# Altium PCB PiTopAIO.PcbDoc (continued)
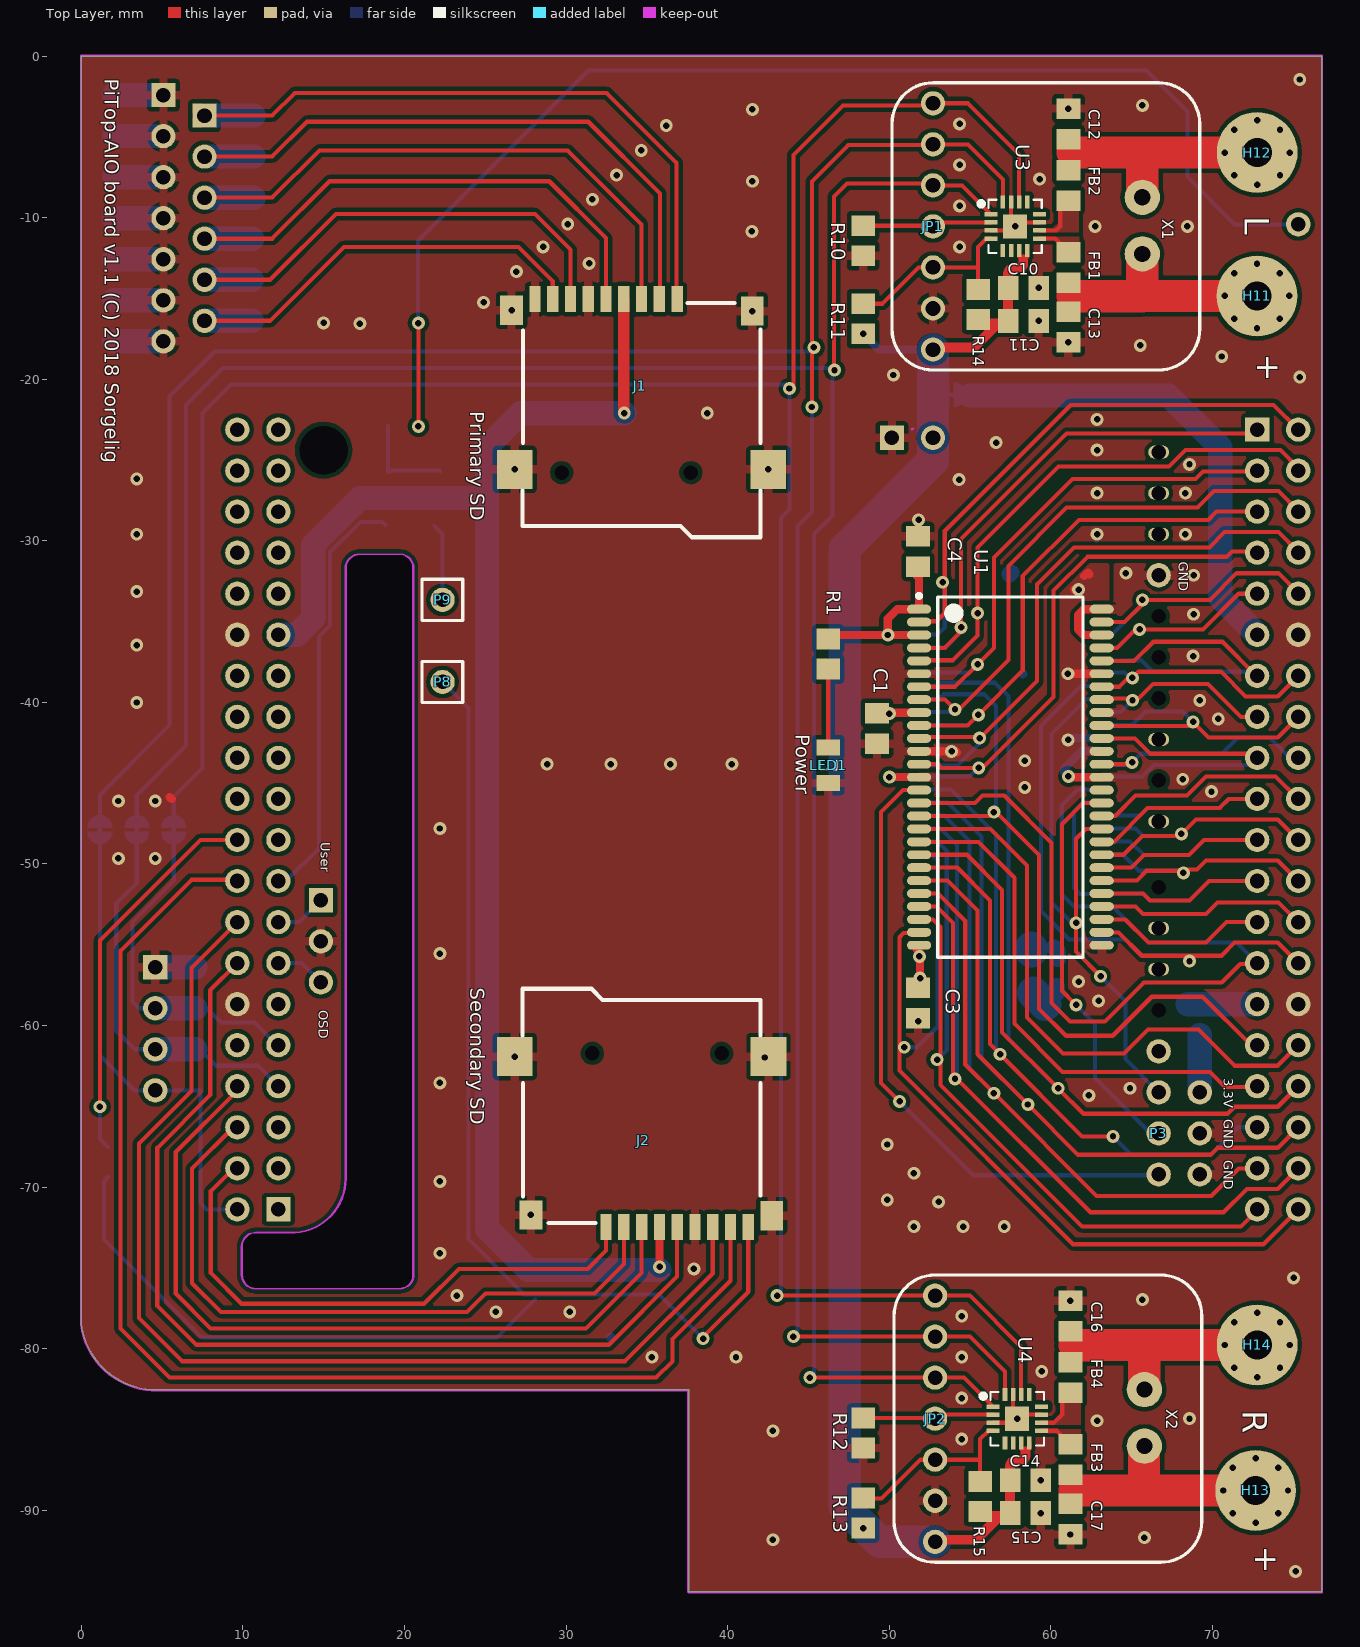
[diagram p0: Top Layer view]
## Free pads (board coordinates)
  round 0 hole 3 unplated: ""(14.986,-24.384)
  round 1.5 hole 0.9: ""(66.675,-61.595) ""(66.675,-32.131) ""(69.215,-69.215) ""(69.215,-66.675) ""(69.215,-64.135)
  round 0 hole 0.9 unplated mask-0.9: ""(66.675,-59.055) ""(66.675,-51.435) ""(66.675,-44.831) ""(66.675,-39.751) ""(66.675,-37.211) ""(66.675,-34.671)
  oval 1.3x0.8 hole 0.9 mask+0.05: ""(66.675,-56.515) ""(66.675,-53.975) ""(66.675,-47.371) ""(66.675,-42.291) ""(66.675,-29.591) ""(66.675,-27.051) ""(66.675,-24.511)

## Via types
v1: diameter 0.8, hole 0.4, Top Layer to Bottom Layer, tented both sides, 169 vias

## Nets (pads, with @x,y where several pads share a name; then routed paths per layer and width w, separated by ;. In a path a pad name is that pad's centre, name@x,y a point inside that pad or via, vN(x,y) a via of type N, cw(c..) or ccw(c..) an arc to the next point about the centre after c; other vN are vias at no path point)
A0: P2.37 U1.23 U2.28 | length 54.7
  Top Layer w0.254: U1.23 53.012,-51.829 54.702,-53.519 54.702,-62.409 v1(56.48,-64.187) 62.83,-70.537 69.925,-70.537 71.628,-68.834 P2.37
  Bottom Layer w0.254: U2.28 53.387,-46.997 54.956,-48.566 54.956,-62.663 v1(56.48,-64.187)
A1: P2.38 U1.24 U2.27 | length 55
  Top Layer w0.254: U1.24 52.923,-52.629 53.94,-53.646 v1@53.94,-63.044 ; v1@54.13,-63.234 62.449,-71.553 70.687,-71.553 72.136,-70.104 74.041,-70.104 P2.38
  Bottom Layer w0.254: U2.27 53.171,-47.797 54.194,-48.82 54.194,-63.171 v1(54.067,-63.298)
A2: P2.39 U1.25 U2.26 | length 50.3
  Top Layer w0.254: U1.25 52.707,-53.429 53.178,-53.9 53.178,-63.679 61.941,-72.442 71.755,-72.442 P2.39@72.771,-71.426
  Bottom Layer w0.254: U2.26 52.955,-48.597 53.559,-49.201 53.559,-61.503 v1(52.959,-62.103) v1@52.801,-62.261
A3: P2.40 U1.26 U2.25 | length 53.7
  Top Layer w0.254: U1.26@51.527,-54.281 50.892,-54.281 50.638,-54.535 50.638,-62.79 61.381,-73.533 73.152,-73.533 P2.40
  Bottom Layer w0.254: v1(50.927,-61.341) 51.705,-61.341 53,-60.047 53,-49.785 52.612,-49.397 U2.25 ; U2.25@51.921,-49.397 U2.25@52.065,-49.541
A4: P2.28 U1.29 U2.7 | length 40.5
  Top Layer w0.254: U1.29 64.175,-54.229 65.624,-55.678 v1@68.545,-55.678 ; v1(68.58,-56.007) 68.58,-55.713 v1@68.545,-55.678 ; P2.28 74.041,-54.864 71.374,-54.864 70.56,-55.678 v1@68.545,-55.678
  Bottom Layer w0.254: U2.7 61.858,-38.997 59.401,-41.454 59.401,-52.924 61.139,-54.662 64.608,-54.662 65.624,-55.678 68.251,-55.678 v1(68.58,-56.007)
A5: P2.25 U1.30 | length 10.7
  Top Layer w0.254: U1.30 64.605,-53.429 66.04,-54.864 69.596,-54.864 70.866,-53.594 P2.25
A6: P2.26 U1.31 | length 13.2
  Top Layer w0.254: U1.31 65.242,-52.629 65.699,-53.086 69.596,-53.086 70.306,-52.376 74.093,-52.376 P2.26
A7: P2.23 U1.32 U2.16 | length 28.9
  Top Layer w0.254: U1.32 65.712,-51.829 66.132,-52.249 68.586,-52.249 69.78,-51.054 P2.23
  Bottom Layer w0.254: U2.16 62.004,-46.197 61.433,-46.768 61.433,-51.487 61.814,-51.868 65.751,-51.868 66.132,-52.249 68.586,-52.249 69.78,-51.054 P2.23
A8: P2.24 U1.33 U2.20 | length 19
  Top Layer w0.254: U1.33 65.32,-51.029 65.929,-50.419 67.997,-50.419 v1@68.072,-50.344 ; v1(68.199,-50.546) 68.199,-50.419 68.274,-50.344 69.053,-50.344 69.612,-49.784 74.041,-49.784 P2.24
  Bottom Layer w0.254: U2.20 64.423,-49.397 65.445,-50.419 68.072,-50.419 v1(68.199,-50.546)
A9: P2.21 U1.34 U2.19 | length 20.7
  Top Layer w0.254: U1.34 64.977,-50.229 65.751,-49.455 68.545,-49.455 69.485,-48.514 P2.21@72.736,-48.514
  Bottom Layer w0.254: U2.19@63.071,-48.597 64.893,-48.597 65.751,-49.455 68.545,-49.455 69.485,-48.514 P2.21
A10: P2.36 U1.22 U2.29 | length 59
  Top Layer w0.254: U1.22 53.609,-51.029 55.464,-52.884 55.464,-61.774 v1(58.575,-64.885) 61.687,-67.997 69.884,-67.997 70.317,-67.564 74.041,-67.564 P2.36
  Bottom Layer w0.254: U2.29 53.603,-46.197 55.718,-48.312 55.718,-62.028 v1(58.575,-64.885)
A11: P2.22 U1.35 U2.18 | length 18.9
  Top Layer w0.254: U1.35 64.507,-49.429 65.675,-48.26 68.072,-48.26 v1(68.072,-48.133) 68.088,-48.133 68.977,-47.244 74.041,-47.244 P2.22
  Bottom Layer w0.254: U2.18@63.071,-47.797 65.236,-47.797 65.699,-48.26 67.961,-48.26 68.072,-48.149 v1(68.072,-48.133)
A12: P2.19 U1.36 U2.17 | length 21
  Top Layer w0.254: U1.36 63.893,-48.629 65.988,-46.534 70.45,-46.534 71.009,-45.974 P2.19
  Bottom Layer w0.254: U2.17 65.525,-46.997 65.988,-46.534 70.45,-46.534 71.009,-45.974 P2.19
BA0: P2.34 U1.20 U2.38 | length 67.6
  Top Layer w0.254: U1.20 54.803,-49.429 56.988,-51.614 56.988,-60.417 60.285,-63.714 60.452,-63.714 v1(60.452,-63.881) 62.028,-65.457 70.941,-65.457 71.374,-65.024 74.041,-65.024 P2.34
  Bottom Layer w0.254: U2.38 52.841,-38.997 53.051,-38.787 56.55,-38.787 57.369,-39.605 57.369,-60.798 v1(60.452,-63.881)
BA1: P2.35 U1.21 U2.30 | length 53.9
  Top Layer w0.254: U1.21 54.206,-50.229 56.226,-52.249 56.226,-61.139 56.734,-61.647 v1@56.988,-61.647 ; v1(56.861,-61.774) 61.941,-66.854 v1(63.846,-66.854)
  Bottom Layer w0.254: U2.30 53.819,-45.397 56.607,-48.185 56.607,-61.52 v1(56.861,-61.774) ; v1(63.846,-66.854) 64.989,-67.997 69.884,-67.997 71.587,-66.294 P2.35
BtnOSD: P1.13 P10.3 | length 3.3
  Top Layer w0.254: P10.3@14.697,-57.456 P10.3
  Bottom Layer w0.254: P1.13 13.629,-56.134 P10.3
BtnUser: P1.15 P10.1 | length 3.9
  Top Layer w0.254: P1.15 P1.15@12.716,-53.594
  Bottom Layer w0.254: P1.15@12.192,-53.737 P1.15 13.478,-53.594 P10.1
CAS: P2.31 U1.17 U2.37 | length 46.4
  Top Layer w0.254: U1.17 56.239,-47.029 v1(56.48,-46.788) 56.607,-46.788 59.274,-49.455 59.274,-58.98 60.925,-60.631 63.829,-60.631 66.242,-58.218 69.394,-58.218 72.39,-61.214 P2.31
  Bottom Layer w0.254: U2.37 53.057,-39.797 53.356,-39.497 55.88,-39.497 56.607,-40.224 56.607,-46.661 v1(56.48,-46.788)
CKE: P3.1 U1.37 U2.8 | length 35.9
  Top Layer w0.254: v1(63.084,-56.948) 61.56,-55.424 v1(61.56,-53.646) 61.56,-48.439 62.17,-47.829 U1.37
  Bottom Layer w0.254: v1(61.56,-53.646) 61.306,-53.646 60.036,-52.376 60.036,-41.962 62.201,-39.797 U2.8 ; v1(63.084,-56.948) 64.608,-58.472 64.608,-62.068 P3.1
CLK: P2.20 U1.38 | length 13.8
  Top Layer w0.254: U1.38 63.986,-47.029 65.243,-45.772 68.418,-45.772 69.612,-44.577 73.914,-44.577 P2.20
CS: P2.33 U1.19 | length 32.5
  Top Layer w0.254: U1.19 55.527,-48.629 57.75,-50.852 57.75,-59.884 60.73,-62.865 69.845,-62.865 70.786,-63.806 72.719,-63.806 P2.33
DH: P3.2 U1.39 | length 25.5
  Top Layer w0.254: v1@61.433,-58.599 60.679,-57.845 60.679,-47.542 61.992,-46.229 U1.39 ; P3.2@66.64,-66.727 P3.2@67.021,-66.346
  Bottom Layer w0.254: v1@61.595,-58.507 61.595,-58.772 62.738,-59.915 62.738,-63.246 66.219,-66.727 P3.2@66.675,-66.727
  other v1: 61.56,-58.726
DL: P3.3 U1.15 | length 39.3
  Top Layer w0.254: v1(50.638,-64.695) 49.495,-63.552 49.495,-46.788 50.854,-45.429 U1.15
  Bottom Layer w0.254: v1(50.638,-64.695) 55.21,-69.267 P3.3@66.623,-69.267 ; P3.3 P3.3@66.623,-69.267 ; P3.3@66.683,-69.267 P3.3@66.623,-69.267
DQ0: P2.2 U1.2 U2.42 | length 36.7
  Top Layer w0.254: U1.2 U1.2@51.99,-34.885 ; U1.2@52.543,-34.977 52.924,-34.977 53.432,-34.469 53.432,-29.389 61.23,-21.59 73.787,-21.59 P2.2
  Bottom Layer w0.254: U2.42@51.921,-35.797 52.993,-35.797 53.432,-35.358 53.432,-32.691 v1(53.305,-32.564)
DQ1: P2.1 U1.4 U2.41 | length 33.1
  Top Layer w0.254: U1.4 53.431,-36.629 54.448,-35.612 v1(54.448,-35.358) 54.448,-29.897 60.976,-23.368 72.517,-23.368 P2.1
  Bottom Layer w0.254: U2.41@51.921,-36.597 53.501,-36.597 54.448,-35.65 v1(54.448,-35.358)
DQ2: P2.4 U1.5 U2.40 | length 38.2
  Top Layer w0.254: U1.5@51.846,-37.39 53.94,-37.39 55.464,-35.866 v1(55.464,-34.469) 55.464,-30.405 60.468,-25.4 67.31,-25.4 68.326,-24.384 74.208,-24.384 75.311,-25.487 P2.4
  Bottom Layer w0.254: U2.40@51.921,-37.397 51.928,-37.39 53.94,-37.39 55.464,-35.866 v1(55.464,-34.469)
DQ3: P2.3 U1.7 U2.39 | length 33.6
  Top Layer w0.254: U1.7 54.079,-39.029 v1(55.464,-37.644) 56.48,-36.628 56.48,-31.04 61.341,-26.179 68.944,-26.179 69.417,-25.706 72.719,-25.706 P2.3
  Bottom Layer w0.254: U2.39 52.541,-38.197 52.586,-38.152 54.956,-38.152 v1(55.464,-37.644)
DQ4: P2.6 U1.8 U2.36 | length 35.7
  Top Layer w0.254: U1.8 53.458,-39.829 v1(54.067,-40.438) 54.304,-40.438 57.369,-37.373 57.369,-31.548 60.976,-27.94 69.088,-27.94 70.104,-26.924 74.081,-26.924 75.311,-28.154 P2.6
  Bottom Layer w0.254: U2.36@51.921,-40.597 53.908,-40.597 53.94,-40.565 v1@53.94,-40.184
DQ5: P2.5 U1.10 U2.35 | length 33.7
  Top Layer w0.254: U1.10 54.854,-41.429 v1(55.515,-40.767) 58.258,-38.025 58.258,-32.183 61.738,-28.702 69.739,-28.702 70.247,-28.194 P2.5
  Bottom Layer w0.254: U2.35@51.921,-41.397 54.886,-41.397 v1(55.515,-40.767)
DQ6: P2.8 U1.11 U2.32 | length 37.4
  Top Layer w0.254: U1.11 51.927,-42.148 v1@55.786,-42.148 ; v1@55.845,-42.089 55.845,-41.986 59.147,-38.684 59.147,-32.691 61.433,-30.405 69.815,-30.405 70.755,-29.464 74.081,-29.464 75.311,-30.694 P2.8
  Bottom Layer w0.254: U2.32@51.921,-43.797 52.034,-43.91 54.228,-43.91 55.591,-42.548 v1(55.591,-42.216)
DQ7: P2.7 U1.13 U2.31 | length 34.4
  Top Layer w0.254: U1.13 53.013,-43.829 53.233,-44.049 v1(55.535,-44.049) 55.773,-44.049 60.163,-39.659 60.163,-33.086 62.26,-30.988 70.882,-30.988 71.212,-30.659 72.696,-30.659 P2.7
  Bottom Layer w0.254: U2.31@51.921,-44.597 54.951,-44.597 55.245,-44.303 55.535,-44.303 v1(55.535,-44.049)
DQ8: P2.18 U1.42 U2.13 | length 15.7
  Top Layer w0.254: U1.42 64.773,-43.829 64.884,-43.717 v1(65.024,-43.717)
  Bottom Layer w0.254: U2.13 63.014,-43.867 64.875,-43.867 v1(65.024,-43.717) ; v1@64.932,-43.613 65.024,-43.705 v1(65.024,-43.717) ; P2.18 74.803,-43.434 73.533,-42.164 71.578,-42.164 70.562,-43.18 65.561,-43.18 v1(65.024,-43.717)
DQ9: P2.17 U1.44 U2.14 | length 20.5
  Top Layer w0.254: U1.44 65.216,-42.229 66.167,-43.18 72.049,-43.18 72.303,-43.434 P2.17
  Bottom Layer w0.254: U2.14 65.639,-44.597 66.369,-43.867 72.338,-43.867 P2.17 ; U2.14@63.071,-44.617 U2.14@63.071,-44.597
DQ10: P2.16 U1.45 U2.10 | length 19.6
  Top Layer w0.254: U1.45 63.171,-41.454 68.799,-41.454 v1(68.799,-41.2) ; v1@68.862,-41.263 69.763,-42.164 74.041,-42.164 P2.16
  Bottom Layer w0.254: U2.10@63.071,-41.397 65.029,-41.397 65.861,-40.565 68.164,-40.565 v1(68.799,-41.2)
DQ11: P2.15 U1.47 U2.9 | length 13.7
  Top Layer w0.254: U1.47@63.146,-39.815 U1.47 63.227,-39.748 65.116,-39.748 65.116,-39.803 v1@65.179,-39.739 ; v1@65.179,-39.993 v1@65.179,-39.739 ; P2.15 71.755,-40.894 69.723,-38.862 66.334,-38.862 65.457,-39.739 v1@65.179,-39.739
  Bottom Layer w0.254: U2.9@63.071,-40.597 64.322,-40.597 v1(65.052,-39.866) v1@65.179,-39.739
DQ12: P2.14 U1.48 U2.6 | length 15.1
  Top Layer w0.254: U1.48 64.239,-39.029 64.786,-38.481 v1(65.04,-38.481) 65.421,-38.1 70.526,-38.1 72.05,-39.624 74.041,-39.624 P2.14
  Bottom Layer w0.254: U2.6@63.592,-38.152 64.568,-38.152 64.77,-38.354 v1@64.913,-38.354
DQ13: P2.13 U1.50 U2.5 | length 21.3
  Top Layer w0.254: U1.50 65.156,-37.429 66.338,-36.247 70.612,-36.247 P2.13@72.771,-38.406
  Bottom Layer w0.254: U2.5@63.071,-37.397 64.728,-37.397 64.735,-37.39 65.584,-37.39 66.294,-38.1 72.771,-38.1 P2.13 P2.13@72.771,-38.406
DQ14: P2.9 U1.51 U2.4 | length 13.9
  Top Layer w0.254: U1.51 64.082,-36.629 65.226,-35.485 v1(65.497,-35.485) 69.417,-35.485 71.628,-33.274 P2.9
  Bottom Layer w0.254: U2.4@63.071,-36.597 64.114,-36.597 65.226,-35.485 v1(65.497,-35.485)
DQ15: P2.10 U1.53 U2.3 | length 17.5
  Top Layer w0.254: U1.53 64.556,-35.029 65.659,-33.925 v1(65.659,-33.655) ; v1@65.929,-33.655 69.85,-33.655 71.501,-32.004 74.081,-32.004 75.311,-33.234 P2.10
  Bottom Layer w0.254: U2.3@63.071,-35.797 63.788,-35.797 v1@65.86,-33.725
GND: C1.1 C2.1 C3.1 C4.1 C5.1 C10.1 C11.1 C12.1 C13.1 C14.1 C15.1 C16.1 C17.1 C20.1 C21.1 J1.6 J1.9 J1.10 J1.11 J1.12 J1.13 J2.6 J2.10 J2.11 J2.12 J2.13 JP1.2 JP2.2 LED1.2 P1.12 P1.30 P2.12 P2.30 P4G.1 P4G.2 P4G.3 P4G.4 P4G.5 P4G.6 P4G.7 P6.1 P7.1 P10.2 pad.@66.675,-32.131 pad.@69.215,-66.675 pad.@69.215,-69.215 R10.2 R12.2 U1.6 U1.12 U1.28 U1.41 U1.46 U1.52 U1.54 U2.12 U2.34 U3.3 U3.11 U3.15 U3.THERMAL U4.3 U4.11 U4.15 U4.THERMAL | length 48.7
  Top Layer w0.254: U3.3 U3.THERMAL@57.535,-10.791 ; U4.3 U4.THERMAL@57.662,-84.578 ; U3.THERMAL@57.535,-10.291 U3.15 ; U4.THERMAL@57.662,-84.078 U4.15 ; U3.THERMAL@58.035,-10.291 U3.11 ; U4.THERMAL@58.162,-84.078 U4.11
  Top Layer w0.508: 5.461,-45.847 5.588,-45.974 ; v1(26.821,-25.581) J1.11@26.664,-25.581 ; U1.12 v1(53.864,-43.029) 54.118,-43.029 v1@54.194,-43.105 ; v1(61.087,-44.577) 61.139,-44.629 U1.41 ; U1.52@63.163,-35.846 U1.52 62.031,-35.829 61.687,-35.485 61.687,-34.596 62.054,-34.229 U1.54 U1.54@63.578,-34.229 ; J1.11@26.664,-25.581 26.567,-25.484 26.47,-25.581 J1.11@26.664,-25.581
  Bottom Layer w0.508: 32.766,-79.375 32.766,-79.248 ; v1@53.94,-42.851 v1@54.118,-43.029 ; v1@60.833,-44.323 60.833,-44.069 61.905,-42.997 U2.12 ; v1@60.96,-44.283 61.087,-44.41 v1(61.087,-44.577) ; v1@62.23,-64.198 62.23,-64.262 v1@62.357,-64.389 ; v1@62.738,-29.337 62.83,-29.429 v1@62.83,-29.841 ; v1@62.865,-27.178 v1(62.865,-27.051) ; v1(62.865,-22.479) v1@62.865,-22.352 ; v1@68.326,-25.273 v1@68.453,-25.4 ; v1@68.926,-37.136 v1@68.926,-37.009 ; v1(69.942,-45.518) v1@70.069,-45.391
  Bottom Layer w1: 59.647,-58.712 60.187,-58.171 60.365,-57.993 C2.1@60.365,-57.567
  Bottom Layer w1.5: 2.032,-17.653 P4G.7 ; 2.032,-15.113 P4G.6 ; 2.032,-12.573 P4G.5 ; 2.032,-10.033 P4G.4 ; 2.032,-7.493 P4G.3 ; 2.032,-4.953 P4G.2 ; 2.032,-2.413 P4G.1 ; P7.1 7.056,-56.388
  Bottom Layer w2: 58.908,-57.973 59.647,-58.712
  other v1: 75.149,-93.778 42.799,-91.821 65.786,-91.694 61.214,-91.496 59.365,-90.17 59.365,-88.138 54.483,-85.598 42.799,-85.09 62.865,-84.455 57.912,-84.328 68.58,-84.328 54.483,-83.058 59.436,-81.407 35.306,-80.518 40.513,-80.518 54.483,-80.518 54.483,-77.978 25.654,-77.724 30.226,-77.724 61.214,-77.033 65.659,-76.962 23.241,-76.708 75.022,-75.617 37.902,-75.057 22.19,-74.093 51.527,-72.442 54.575,-72.442 57.115,-72.442 27.824,-71.722 53.051,-70.918 49.876,-70.791 22.19,-69.648 51.527,-69.14 49.876,-67.362 62.357,-64.325 64.897,-63.881 22.19,-63.552 42.291,-61.976 26.824,-61.922 51.781,-59.742 62.957,-58.472 61.722,-57.277 22.19,-55.551 2.286,-49.657 4.572,-49.657 22.19,-47.804 2.286,-46.101 4.572,-46.101 68.164,-44.756 28.829,-43.815 32.766,-43.815 36.449,-43.815 40.259,-43.815 70.358,-41.021 3.429,-40.005 69.215,-39.878 68.799,-37.136 3.429,-36.449 68.834,-34.544 3.429,-33.147 68.834,-32.131 64.643,-32.004 3.429,-29.591 62.865,-29.591 68.326,-29.591 51.816,-28.702 68.326,-27.051 54.321,-26.214 3.429,-26.162 42.521,-25.581 68.58,-25.273 62.865,-24.384 56.607,-23.928 38.735,-22.098 75.403,-19.864 50.257,-19.737 70.577,-18.594 65.532,-17.907 61.087,-17.709 17.237,-16.562 14.986,-16.51 59.238,-16.383 41.521,-15.781 26.621,-15.731 24.892,-15.24 59.238,-14.351 26.924,-13.335 31.423,-12.827 28.575,-11.811 54.356,-11.811 41.494,-10.847 57.785,-10.541 62.738,-10.541 68.453,-10.541 30.099,-10.394 54.356,-9.271 31.623,-8.87 41.529,-7.747 59.309,-7.62 33.127,-7.366 54.356,-6.731 34.651,-5.842 36.195,-4.298 54.356,-4.191 41.529,-3.302 61.087,-3.246 65.659,-3.048 75.403,-1.449
I2S_BCLK: CUT1.1 JP1.6 JP2.6 P1.2 P7.4 U3.16 U4.16 | length 203.4
  Top Layer w0.254: v1@43.942,-79.248 v1(44.069,-79.248) JP2.6 54.991,-79.248 57.162,-81.419 U4.16 ; v1(45.212,-21.717) 45.212,-7.763 47.463,-5.513 52.399,-5.513 52.526,-5.64 JP1.6 54.864,-5.461 57.035,-7.632 U3.16
  Bottom Layer w0.254: P1.2@9.779,-71.374 P1.2 7.747,-71.374 7.366,-70.993 7.366,-64.008 P7.4 3.302,-64.008 1.143,-61.849 CUT1.1 1.143,-45.72 5.461,-41.402 5.461,-21.082 8.255,-18.288 45.085,-18.288 v1(45.339,-18.034) ; v1@43.815,-79.121 v1@44.069,-79.121 ; v1@43.942,-79.248 v1@44.069,-79.121 ; v1(45.212,-21.717) 45.212,-28.194 44.323,-29.083 44.323,-78.867 v1@44.069,-79.121
I2S_DATA: CUT3.1 JP1.5 JP2.5 P1.7 P7.3 U3.1 U4.1 | length 189.7
  Top Layer w0.254: v1(45.085,-81.788) JP2.5 JP2.5@52.959,-81.788 ; v1@46.574,-19.142 46.574,-8.688 47.387,-7.874 52.578,-7.874 JP1.5 54.495,-8.001 U3.1 ; JP2.5@53.086,-81.661 JP2.5@52.959,-81.788 ; U4.1 54.622,-81.788 JP2.5@52.959,-81.788
  Bottom Layer w0.254: P7.3 3.308,-61.468 2.159,-60.319 2.159,-52.451 3.429,-51.181 CUT3.1 3.429,-45.72 6.477,-42.672 6.477,-21.59 8.763,-19.304 46.292,-19.304 v1@46.578,-19.589 ; 7.056,-61.468 7.325,-61.468 8.341,-62.484 10.922,-62.484 P1.7 ; v1(45.085,-81.788) 45.339,-81.534 45.339,-29.591 46.482,-28.448 46.482,-19.685 v1@46.578,-19.589 ; v1@46.736,-19.431 v1@46.578,-19.589
  Bottom Layer w1.5: P7.3 7.056,-61.468
  other v1: 46.609,-19.431
I2S_LRCLK: CUT2.1 JP1.7 JP2.7 P1.9 P7.2 U3.14 U4.14 | length 195.4
  Top Layer w0.254: v1(43.053,-76.708) JP2.7@52.705,-76.708 ; v1(43.815,-20.574) 44.069,-20.32 44.069,-6.112 47.133,-3.048 52.578,-3.048 JP1.7 54.864,-2.921 58.035,-6.092 U3.14 ; JP2.7@52.705,-76.835 JP2.7 54.991,-76.708 58.162,-79.879 U4.14
  Bottom Layer w0.254: P7.2 3.559,-58.928 3.175,-58.544 3.175,-53.594 5.715,-51.054 CUT2.1 5.715,-45.847 7.493,-44.069 7.493,-22.098 9.271,-20.32 v1@43.815,-20.32 ; 7.056,-58.928 7.747,-58.928 8.636,-59.817 10.708,-59.817 12.105,-61.214 P1.9 ; v1(43.053,-76.708) 43.307,-76.454 43.307,-28.575 43.815,-28.067 v1(43.815,-20.574)
  Bottom Layer w1.5: P7.2 7.056,-58.928
NetC12_2: C12.2 FB2.2 H12.1 X1.1 | length 12.6
  Top Layer w0.813: X1.1@65.294,-8.376 cw(c63.549,-8.775) X1.1@65.339,-8.775
  Top Layer w2: 61.341,-5.969 65.659,-5.969 ; 65.626,-6.045 65.659,-6.045 ; X1.1 65.659,-6.045 ; H12.1@70.771,-5.969 65.659,-5.969 ; 65.659,-6.045 65.659,-5.969
NetC13_2: C13.2 FB1.2 H11.1 X1.2 | length 14.1
  Top Layer w2: 61.341,-14.859 65.659,-14.859 ; X1.2@65.659,-12.192 X1.2 65.659,-14.859 ; H11.1@72.803,-14.859 72.758,-14.859 70.758,-14.846 65.659,-14.859
NetC16_2: C16.2 FB4.2 H14.1 X2.1 | length 12
  Top Layer w2: 61.468,-79.793 63.051,-79.793 ; 63.074,-79.769 65.786,-79.769 ; X2.1 65.786,-79.769 ; H14.1@70.771,-79.769 65.786,-79.769
NetC17_2: C17.2 FB3.2 H13.1 X2.2 | length 12.6
  Top Layer w0.254: H13.1@72.644,-88.773 72.645,-88.779 H13.1@72.771,-89.376
  Top Layer w2: 61.468,-88.773 65.761,-88.773 ; X2.2@65.761,-86.004 65.761,-88.773 ; H13.1@70.676,-88.773 65.761,-88.773
NetD1_1: D1.1 P1.17 | length 26.2
  Bottom Layer w0.254: P1.17 12.675,-51.054 14.697,-49.032 14.697,-35.933 15.398,-35.232 15.398,-30.703 17.272,-28.829 18.633,-28.829 D1.1@18.812,-29.008
NetD1_2: D1.2 D2.2 R21.1 | length 6
  Bottom Layer w0.254: R21.1 18.974,-25.706 D1.2@19.142,-25.706 ; D1.2 22.132,-25.637 D2.2
NetFB1_1: FB1.1 U3.9 | length 2.1
  Top Layer w0.254: U3.9 60.247,-11.291 FB1.1@61.087,-12.131
NetFB2_1: FB2.1 U3.10 | length 3.2
  Top Layer w0.254: U3.10 60.329,-10.791 60.579,-10.541 60.579,-9.459 FB2.1@61.087,-8.951
NetFB3_1: FB3.1 U4.9 | length 2.1
  Top Layer w0.254: U4.9 60.374,-85.078 FB3.1@61.214,-85.918
NetFB4_1: FB4.1 U4.10 | length 3
  Top Layer w0.254: U4.10 60.202,-84.578 60.706,-84.074 60.706,-83.246 FB4.1@61.214,-82.738
NetJ2_9: J2.9 P8.1 R20.1 R22.1 | length 94.7
  Top Layer w0.254: v1(38.481,-79.375) 38.481,-79.265 41.274,-76.472 J2.9
  Bottom Layer w0.254: R22.1 1.397,-69.637 1.397,-73.239 7.458,-79.3 25.729,-79.3 R20.1@28.067,-76.962 ; P8.1 23.968,-40.351 23.968,-73.204 27.397,-76.633 35.739,-76.633 38.299,-79.193 38.481,-79.01 v1(38.481,-79.375)
NetJP1_3: JP1.3 R11.2 R14.2 U3.4 | length 11.6
  Top Layer w0.254: R11.2 49.571,-15.326 51.816,-13.081 JP1.3 55.499,-13.081 ; R14.2@55.499,-14.417 55.499,-13.081 ; U3.4 56.019,-11.291 55.499,-11.811 55.499,-13.081
NetJP1_4: JP1.4 R10.1 U3.2 | length 7.8
  Top Layer w0.254: R10.1@48.641,-10.5 52.664,-10.5 JP1.4 cw(c52.955,-10.541) 52.955,-10.291 U3.2
NetJP2_3: JP2.3 R13.2 R15.2 U4.4 | length 11.9
  Top Layer w0.254: R13.2@48.514,-88.9 48.895,-89.281 49.53,-89.281 51.943,-86.868 JP2.3 55.626,-86.868 ; R15.2@55.626,-88.204 55.626,-86.868 ; U4.4 56.146,-85.078 55.626,-85.598 55.626,-86.868
NetJP2_4: JP2.4 R12.1 U4.2 | length 8.2
  Top Layer w0.254: R12.1 JP2.4@52.746,-84.287 ; JP2.4@52.746,-84.414 JP2.4 cw(c53.082,-84.328) 53.082,-84.078 U4.2
NetLED1_1: LED1.1 R1.1 | length 4.8
  Top Layer w0.254: LED1.1@46.223,-42.726 R1.1
NetP1_20: P1.20 R22.2 | length 24.1
  Top Layer w0.254: v1(1.143,-65.024) 1.143,-54.737 7.366,-48.514 P1.20
  Bottom Layer w0.254: v1(1.143,-65.024) 1.143,-67.015 R22.2
NetP5_1: P5.1 R21.2 | length 76.5
  Top Layer w0.254: v1@20.858,-23.039 v1(20.858,-22.912) v1(20.858,-16.521)
  Bottom Layer w0.254: v1@20.828,-16.267 20.828,-11.43 31.369,-0.889 65.913,-0.889 68.453,-3.429 68.453,-7.493 71.374,-10.414 P5.1
PrCLK: J1.5 P4.4 | length 34.5
  Top Layer w0.254: P4.4 11.811,-11.303 15.367,-7.747 28.956,-7.747 32.471,-11.262 J1.5
  Bottom Layer w1.5: P4.4 10.575,-11.303
PrCMD: J1.3 P4.3 | length 37.8
  Top Layer w0.254: P4.3 11.811,-8.763 14.732,-5.842 30.099,-5.842 34.671,-10.414 J1.3
  Bottom Layer w1.5: P4.3 10.668,-8.763
PrDAT0: J1.7 P4.5 | length 31.2
  Top Layer w0.254: P4.5 11.684,-13.843 15.748,-9.779 28.067,-9.779 30.271,-11.983 J1.7
  Bottom Layer w1.5: P4.5 10.541,-13.843
PrDAT1: J1.8 P4.6 | length 28.3
  Top Layer w0.254: P4.6 11.684,-16.383 16.256,-11.811 27.051,-11.811 29.171,-13.931 J1.8
  Bottom Layer w1.5: P4.6 10.541,-16.383
PrDAT2: J1.1 P4.1 | length 43.1
  Top Layer w0.254: P4.1 11.811,-3.683 13.208,-2.286 32.512,-2.286 36.83,-6.604 36.83,-14.99 J1.1
  Bottom Layer w1.5: P4.1 10.668,-3.683
PrDAT3: J1.2 P4.2 | length 40.5
  Top Layer w0.254: P4.2 11.811,-6.223 13.97,-4.064 31.369,-4.064 35.814,-8.509 35.814,-14.988 J1.2
  Bottom Layer w1.5: P4.2 10.668,-6.223
RAS: P2.32 U1.18 | length 36.8
  Top Layer w0.254: U1.18 56.251,-47.829 58.512,-50.09 58.512,-59.488 60.746,-61.722 64.532,-61.722 66.005,-60.25 69.14,-60.25 71.374,-62.484 74.041,-62.484 P2.32
RESET: D2.1 P9.1 | length 4.9
  Bottom Layer w0.254: D2.1@21.856,-29.087 22.352,-29.583 P9.1 P9.1@22.352,-33.782
ScCLK: J2.5 P1.14 | length 61.4
  Top Layer w0.254: P1.14@9.779,-56.134 P1.14 7.973,-57.813 7.973,-64.29 4.699,-67.564 4.699,-77.343 7.112,-79.756 32.639,-79.756 36.874,-75.521 J2.5
ScCMD: J2.3 P1.8 | length 48.5
  Top Layer w0.254: P1.8@9.779,-63.754 P1.8 9.652,-64.008 5.842,-67.818 5.842,-76.581 8.001,-78.74 31.242,-78.74 34.674,-75.308 J2.3
ScDAT0: J2.7 P1.16 | length 68.9
  Top Layer w0.254: P1.16@9.779,-53.594 P1.16 6.823,-56.423 6.823,-64.043 3.556,-67.31 3.556,-78.105 6.223,-80.772 33.655,-80.772 39.074,-75.353 J2.7
ScDAT1: J2.8 P1.18 | length 78.1
  Top Layer w0.254: P1.18 9.577,-50.979 6.806,-50.979 2.413,-55.372 2.413,-78.74 5.461,-81.788 35.576,-81.788 36.576,-80.788 36.576,-79.391 40.174,-75.793 J2.8
ScDAT2: J2.1 P1.4 | length 35.5
  Top Layer w0.254: P1.4@9.779,-68.834 P1.4 9.414,-68.834 8.008,-70.24 8.008,-75.318 9.906,-77.216 21.209,-77.216 23.368,-75.057 31.338,-75.057 32.474,-73.921 J2.1
ScDAT3: J2.2 P1.6 | length 42
  Top Layer w0.254: P1.6@9.779,-66.294 P1.6 9.414,-66.294 6.858,-68.85 6.858,-75.946 8.636,-77.724 23.876,-77.724 25.019,-76.581 31.75,-76.581 33.574,-74.757 J2.2
VCC: C1.2 C2.2 C3.2 C4.2 C5.2 P2.29 pad.@69.215,-64.135 R1.2 U1.1 U1.3 U1.9 U1.14 U1.27 U1.43 U1.49 U2.11 U2.33 | length 31.6
  Top Layer w0.508: R1.2@46.482,-35.941 46.741,-35.941 46.853,-35.829 v1(49.911,-35.829) ; v1(50.003,-44.629) 50.037,-44.629 50.02,-44.612 51.829,-44.612 U1.14 ; v1(50.003,-40.692) 50.049,-40.646 51.829,-40.646 U1.9 ; C4.2@51.654,-32.112 51.846,-32.304 U1.1 50.497,-34.229 49.911,-34.814 v1(49.911,-35.829) ; C3.2@51.781,-57.4 51.654,-57.273 51.862,-57.065 v1(51.908,-57.065) 51.908,-55.932 51.781,-55.805 v1(51.862,-55.723) 51.862,-55.429 51.654,-55.221 U1.27 U1.27@51.781,-55.029 ; U1.3 v1(49.911,-35.829) ; v1@61.179,-38.229 U1.49 ; v1@61.44,-33.02 61.468,-33.048 61.496,-33.02 v1(61.722,-33.02) ; 62.068,-32.183 62.29,-31.961 62.395,-32.066 ; U1.43@63.129,-43.046 U1.43
  Bottom Layer w0.508: v1(50.003,-44.629) v1@50.13,-44.756 ; 58.258,-38.279 58.308,-38.229 ; v1@61.071,-42.197 U2.11@63.071,-42.197 ; 68.418,-58.726 68.469,-58.674
  Bottom Layer w1: 57.442,-32.066 57.547,-31.961 ; C2.2@60.213,-55.16 60.452,-55.4 60.452,-55.88
  Bottom Layer w1.5: 68.469,-58.674 P2.29 ; pad.@69.215,-64.135 69.215,-60.579
  Bottom Layer w2: 58.787,-55.409 58.787,-55.179
  other v1: 58.385,-45.264 58.385,-43.613 61.071,-42.324 61.052,-38.229
VCCIO: C20.2 C21.2 J1.4 J2.4 P1.29 R20.2 | length 98
  Top Layer w0.508: v1@33.571,-22.07 v1(33.599,-22.098) ; J2.4 35.774,-74.922 v1(35.782,-74.93)
  Top Layer w0.7: v1@33.571,-22.07 J1.4
  Bottom Layer w1.5: P1.29 13.335,-35.814 14.351,-34.798 14.351,-30.226 17.22,-27.357 25.035,-27.357 ; v1(33.599,-22.098) 27.178,-22.098 25.111,-24.165 25.111,-72.569 27.662,-75.12 C20.2@35.782,-75.12
VDD: C10.2 C11.2 C14.2 C15.2 CUT4.1 JP1.1 JP2.1 P2.11 P6.2 R11.1 R13.1 R14.1 R15.1 U3.7 U3.8 U4.7 U4.8 | length 138.7
  Top Layer w0.254: U3.7 58.035,-12.315 ccw(c58.293,-12.315) 58.293,-12.573 ccw(c58.293,-12.331) 58.535,-12.331 U3.8 ; U4.7 58.162,-86.102 ccw(c58.42,-86.102) 58.42,-86.36 ccw(c58.42,-86.118) 58.662,-86.118 U4.8
  Top Layer w0.406: R14.1@55.499,-16.317 ccw(c55.377,-16.571) 55.123,-16.449 56.642,-16.449 ; R15.1@55.626,-90.104 ccw(c55.504,-90.358) 55.25,-90.236 56.769,-90.236
  Top Layer w0.61: JP1.1@52.699,-18.115 52.71,-18.117 53.393,-18.034 55.245,-18.034 56.515,-16.764 ; JP2.1@52.837,-91.904 53.52,-91.821 55.372,-91.821 56.642,-90.551 ; C11.2@57.343,-16.383 57.343,-13.523 cw(c57.785,-13.523) 57.785,-13.081 58.039,-13.081 ccw(c58.039,-12.827) 58.293,-12.827 58.293,-12.573 ; C15.2@57.47,-90.17 57.47,-87.31 cw(c57.912,-87.31) 57.912,-86.868 58.166,-86.868 ccw(c58.166,-86.614) 58.42,-86.614 58.42,-86.36
  Bottom Layer w0.508: v1(48.387,-17.186) 49.362,-18.161 JP1.1
  Bottom Layer w1.5: 54.991,-21.007 67.275,-21.007 70.485,-24.217 70.485,-33.528 P2.11
  Bottom Layer w2: JP1.1 P6.2 52.705,-25.035 47.244,-30.496 47.244,-89.789 49.403,-91.948 JP2.1
  other v1: 48.387,-91.1
WE: P2.27 U1.16 U2.15 | length 56.2
  Top Layer w0.254: U1.16 55.309,-46.229 55.766,-45.772 57.115,-45.772 60.036,-48.693 60.036,-58.599 61.179,-59.742 63.338,-59.742 65.751,-57.329 70.577,-57.329 71.72,-56.186 P2.27@72.771,-56.186
  Bottom Layer w0.254: U2.15 61.664,-45.397 60.671,-46.39 60.671,-51.868 61.433,-52.63 63.806,-52.63 66.04,-54.864 71.501,-54.864 P2.27
pads on no net: J1. J2. P1.1 P1.3 P1.5 P1.10 P1.11 P1.19 P1.21 P1.22 P1.23 P1.24 P1.25 P1.26 P1.27 P1.28 P1.31 P1.32 P1.33 P1.34 P1.35 P1.36 P1.37 P1.38 P1.39 P1.40 U1.40 U2.1 U2.2 U2.21 U2.22 U2.23 U2.24 U2.43 U2.44 U3.5 U3.6 U3.12 U3.13 U4.5 U4.6 U4.12 U4.13

## Polygon pours and split planes (outlines as drawn)
GND on Top Layer "ground" (solid, remove dead copper, pour order 98): 4.699,-82.55 cw(c4.635,-77.871) 0,-78.513 0,0 76.755,0 76.755,-95.051 37.592,-95.051 37.592,-82.55
NetFB2_1 on Top Layer "spk" (solid, remove dead copper, pour order 42): 59.658,-10.668 60.123,-10.668 60.547,-10.244 60.547,-9.281 61.722,-9.281 61.722,-10.922 59.658,-10.922
VCC on Top Layer "power" (solid, remove dead copper, pour order 55): 63.621,-31.294 60.675,-31.294 51.881,-38.151 51.881,-49.328 63.62,-49.328
NetFB1_1 on Top Layer "spk" (solid, remove dead copper, pour order 40): 59.563,-11.176 61.744,-11.176 61.744,-12.192 60.474,-12.192 60.474,-11.43 59.563,-11.43
NetFB3_1 on Top Layer "spk" (solid, remove dead copper, pour order 32): 59.817,-84.963 61.849,-84.963 61.849,-85.979 60.579,-85.979 60.579,-85.217 59.817,-85.217
NetFB4_1 on Top Layer "spk" (solid, remove dead copper, pour order 30): 59.817,-84.455 60.325,-84.455 60.706,-84.074 60.706,-83.111 61.849,-83.111 61.849,-84.709 59.817,-84.709
GND on Bottom Layer "ground" (solid, remove dead copper, pour order 99): 4.699,-82.55 cw(c4.635,-77.871) 0,-78.513 0,0 76.755,0 76.755,-95.051 37.592,-95.051 37.592,-82.55
VCC on Bottom Layer "power" (solid, remove dead copper, pour order 54): 73.065,-58.674 69.128,-54.737 66.462,-54.737 62.573,-50.854 62.573,-32.004 60.92,-30.352 51.578,-30.354 49.241,-32.691 49.241,-55.297 51.654,-57.71 53.559,-57.71 53.559,-52.249 52.289,-50.979 52.289,-35.485 57.369,-40.565 57.369,-56.44 62.573,-56.44 64.225,-58.091 64.228,-63.044 68.882,-63.044

## Keep-outs
Keep-Out Layer:
  pour cut-out: 51.527,-23.039 51.4,-23.166 51.4,-23.039
  lines w0.1: 4.7,-82.6 cw(c4.635,-77.871) 4.699,-82.6 ; 16.378,-31.695 16.378,-31.695 ; -0.05,-78.513 ccw(c0,-78.513) -0.05,-78.513 ; -0.05,-78.513 ccw(c0,-78.513) -0.05,-78.513 ; -0.05,-78.513 ccw(c0,-78.513) -0.05,-78.52 ccw(c4.635,-77.871) 4.699,-82.6 ; -0.05,-78.513 -0.05,-78.513 ; -0.05,-78.513 -0.05,0 ; -0.05,0 cw(c0,0) 0,0.05 ; -0.05,0 cw(c0,0) 0,0.05 ; 0,0.05 76.755,0.05 ; 4.699,-82.6 4.699,-82.6 ; 4.699,-82.6 37.542,-82.6 37.542,-95.051 ; 10.795,-76.277 ccw(c10.795,-76.327) 10.795,-76.277 ; 10.795,-76.277 ccw(c10.795,-76.327) 10.795,-76.277 ; 10.795,-76.277 ccw(c10.795,-76.327) 10.795,-76.277 ; 10.795,-76.277 cw(c10.795,-75.438) 9.956,-75.438 9.956,-73.66 cw(c10.795,-73.66) 10.795,-72.821 12.918,-72.821 ccw(c13.025,-69.47) 16.378,-69.478 ; 10.795,-76.277 ccw(c10.795,-75.438) 10.795,-76.277 ; 10.795,-76.277 10.795,-76.277 ; 10.795,-76.277 19.685,-76.277 ccw(c19.685,-75.438) 20.524,-75.438 20.524,-31.624 ccw(c19.693,-31.666) 19.652,-30.836 ; 16.378,-69.478 ccw(c13.025,-69.47) 16.378,-69.477 ; 16.378,-69.478 ccw(c16.328,-69.477) 16.378,-69.477 ; 16.378,-69.477 ccw(c16.328,-69.477) 16.378,-69.477 ; 16.378,-69.477 ccw(c16.328,-69.477) 16.378,-69.477 ; 16.378,-69.477 16.378,-31.695 ; 16.378,-31.695 cw(c17.247,-31.705) 17.237,-30.836 ; 16.378,-31.695 ccw(c17.247,-31.705) 16.378,-31.695 ; 17.237,-30.836 ccw(c17.247,-31.705) 17.237,-30.836 ; 17.236,-30.836 17.237,-30.836 ; 17.237,-30.836 19.649,-30.836 ; 19.649,-30.836 ccw(c19.65,-30.786) 19.652,-30.836 ; 19.65,-30.836 ccw(c19.65,-30.786) 19.652,-30.836 ; 19.649,-30.836 19.65,-30.836 ; 37.542,-95.051 ccw(c37.592,-95.051) 37.592,-95.101 ; 37.542,-95.051 ccw(c37.592,-95.051) 37.592,-95.101 ; 37.592,-95.101 76.755,-95.101 ; 76.755,-95.101 ccw(c76.755,-95.051) 76.805,-95.051 ; 76.755,-95.101 ccw(c76.755,-95.051) 76.805,-95.051 ; 76.755,0.05 cw(c76.755,0) 76.805,0 ; 76.755,0.05 cw(c76.755,0) 76.805,0 ; 76.805,-95.051 76.805,0

## Other copper
Top Layer:
  pour cut-out: 56.763,-83.179 59.061,-83.179 59.061,-85.477 59.055,-85.471 56.769,-85.471 56.769,-83.185
  pour cut-out: 56.636,-9.392 58.934,-9.392 58.934,-11.69 58.928,-11.684 56.642,-11.684 56.642,-9.398

## Silkscreen, mask and mechanical layers (free items; w line width, h text height)
Top Overlay:
  lines w0.2: 50.165,-16.891 ccw(c52.705,-16.891) 52.705,-19.431 66.675,-19.431 ccw(c66.675,-16.891) 69.215,-16.891 69.215,-4.191 ccw(c66.675,-4.191) 66.675,-1.651 52.705,-1.651 ccw(c52.705,-4.191) 50.165,-4.191 50.165,-16.891 ; 50.292,-90.678 ccw(c52.832,-90.678) 52.832,-93.218 66.802,-93.218 ccw(c66.802,-90.678) 69.342,-90.678 69.342,-77.978 ccw(c66.802,-77.978) 66.802,-75.438 52.832,-75.438 ccw(c52.832,-77.978) 50.292,-77.978 50.292,-90.678
  text "PiTop-AIO board v1.1 (C) 2018 Sorgelig" at 1.143,-1.397 h1.52 r270
  text "L" at 72.009,-9.906 h1.52 r270
  text "+" at 72.771,-18.415 h1.52 r270
  text "Primary SD" at 23.749,-21.971 h1.52 r270
  text "GND" at 67.691,-31.283 h1 r270
  text "User" at 14.605,-48.641 h1 r270
  text "Secondary SD" at 23.749,-57.658 h1.52 r270
  text "OSD" at 14.478,-59.055 h1 r270
  text "3.3V" at 70.485,-63.246 h1 r270
  text "GND" at 70.485,-65.786 h1 r270
  text "GND" at 70.485,-68.326 h1 r270
  text "R" at 71.882,-83.82 h1.52 r270
  text "+" at 72.644,-92.202 h1.52 r270
Mechanical 1:
  lines w0: 52.705,-16.891 ccw(c55.245,-16.891) 55.245,-19.431 69.215,-19.431 ccw(c69.215,-16.891) 71.755,-16.891 71.755,-4.191 ccw(c69.215,-4.191) 69.215,-1.651 55.245,-1.651 ccw(c55.245,-4.191) 52.705,-4.191 52.705,-16.891
Mechanical 2:
  text "LRC" at 56.503,-2.102 h1.57 r270
  text "98357A" at 58.142,-2.425 h1.77 r270
  text "I2S Amp" at 60.348,-2.411 h1.77 r270
  text "MAX" at 56.343,-3.461 h1.77 r270
  text "BCLK" at 52.947,-3.678 h1.57 r270
  text "DIN" at 56.52,-7.03 h1.57 r270
  text "GAIN" at 52.947,-8.918 h1.57 r270
  text "SD" at 56.503,-12.047 h1.57 r270
  text "GND" at 52.947,-14.134 h1.57 r270
  text "Vin" at 56.52,-17.324 h1.57 r270